# KiCad board MiniMastermindPanel.kicad_pcb
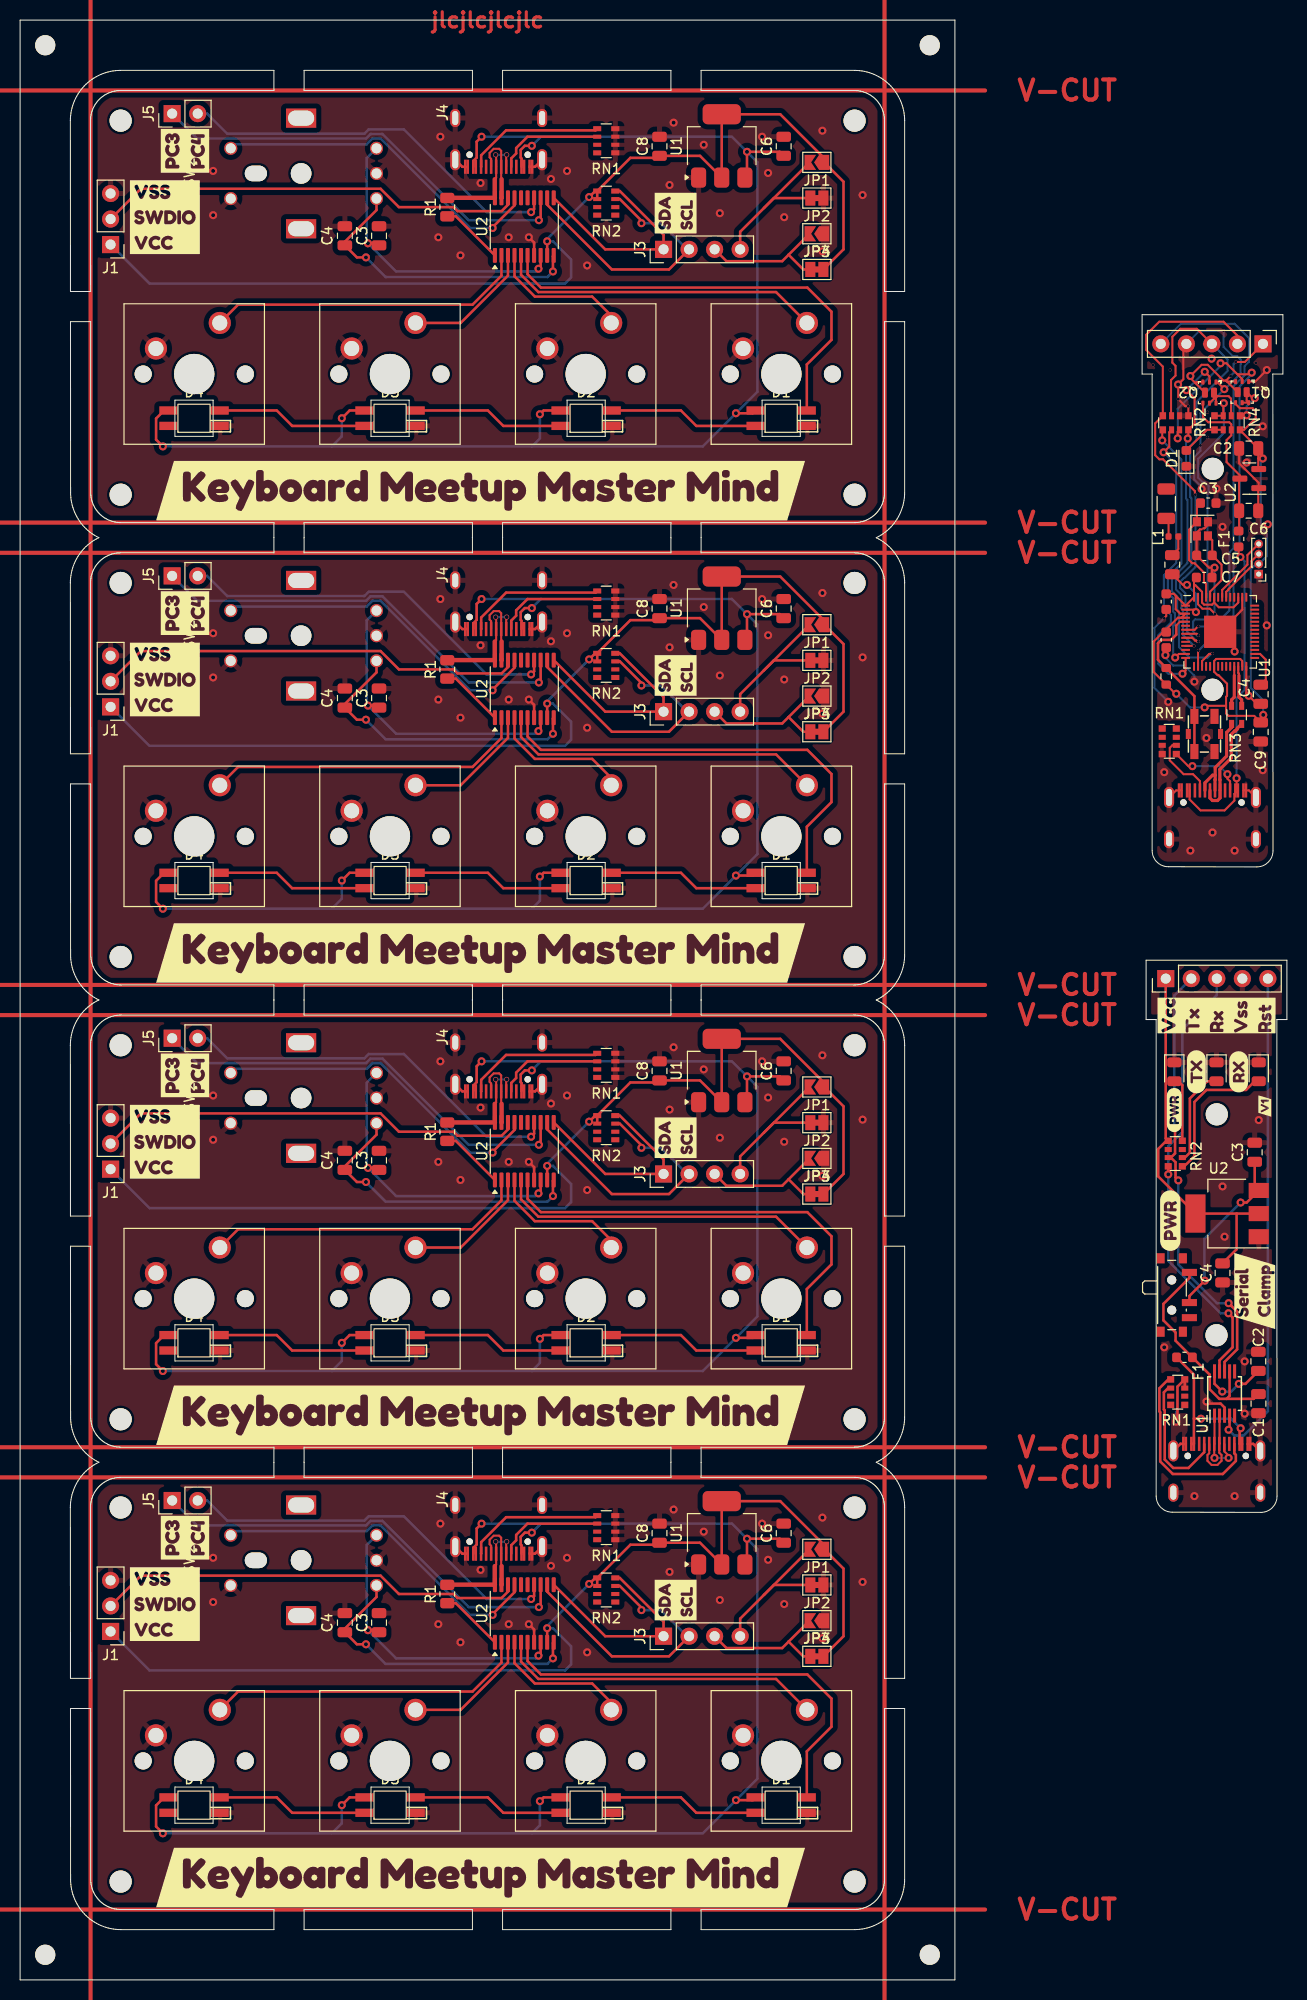
[diagram p0: board, top side]
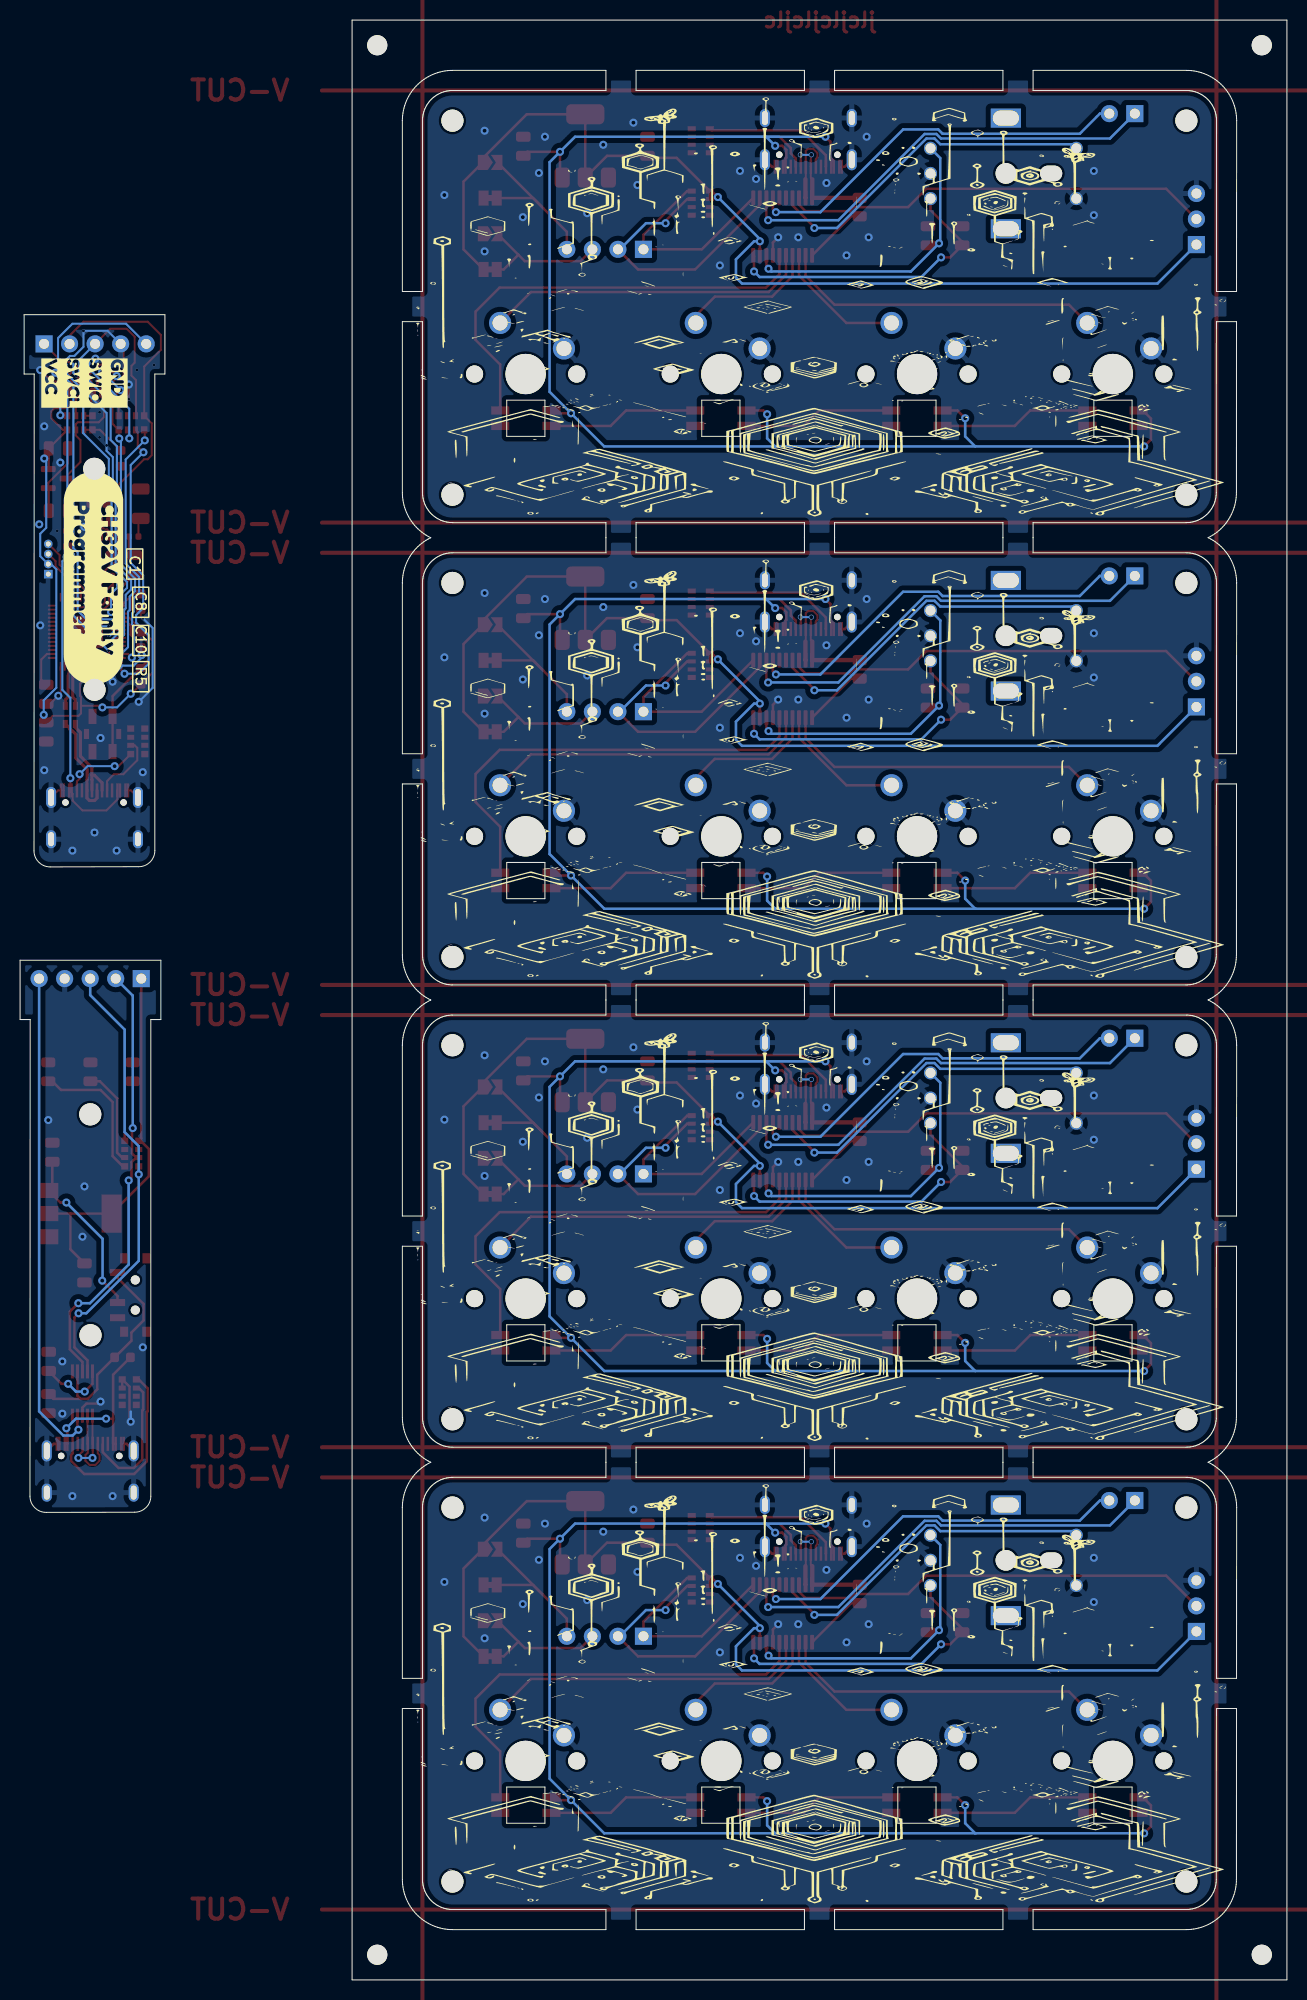
[diagram p1: board, bottom side, seen from below]

Outline 126 x 194.91 mm; copper layers: Top, Bottom. Coordinates in mm from the lower left corner of the outline.
Outline path: 0,194.91 0,0 92.98,0 92.98,194.91 0,194.91 ; 5,184.94 5.01,185.17 5.03,185.42 5.06,185.67 5.1,185.92 5.16,186.17 5.23,186.41 5.31,186.65 5.4,186.89 5.51,187.12 5.63,187.34 5.76,187.56 5.9,187.77 6.05,187.98 6.21,188.17 6.38,188.36 6.55,188.54 6.74,188.71 6.94,188.87 7.14,189.02 7.35,189.16 7.57,189.29 7.8,189.4 8.03,189.51 8.26,189.6 8.5,189.69 8.75,189.76 8.99,189.81 9.24,189.86 9.49,189.89 9.75,189.91 9.97,189.91 25.24,189.91 25.24,187.91 10,187.91 9.85,187.91 9.7,187.9 9.55,187.88 9.4,187.85 9.25,187.82 9.1,187.78 8.96,187.73 8.82,187.67 8.68,187.61 8.54,187.54 8.41,187.46 8.29,187.38 8.16,187.29 8.05,187.19 7.93,187.09 7.83,186.98 7.72,186.87 7.63,186.75 7.54,186.63 7.45,186.5 7.38,186.37 7.31,186.24 7.24,186.1 7.19,185.96 7.14,185.81 7.1,185.67 7.06,185.52 7.03,185.37 7.02,185.22 7,185.07 7,184.91 7.01,167.93 5.01,167.93 5,184.91 5,184.94 ; 5,138.96 5.01,139.19 5.03,139.44 5.06,139.69 5.1,139.94 5.16,140.19 5.23,140.43 5.31,140.67 5.4,140.91 5.51,141.14 5.63,141.36 5.76,141.58 5.9,141.79 6.05,142 6.21,142.19 6.38,142.38 6.55,142.56 6.74,142.73 6.94,142.89 7.14,143.04 7.35,143.18 7.57,143.31 7.8,143.43 7.83,143.44 7.82,143.45 7.59,143.56 7.38,143.69 7.16,143.83 6.96,143.98 6.76,144.14 6.58,144.31 6.4,144.49 6.23,144.68 6.07,144.88 5.92,145.08 5.78,145.29 5.65,145.51 5.53,145.73 5.43,145.96 5.33,146.2 5.25,146.44 5.18,146.68 5.12,146.93 5.08,147.18 5.05,147.43 5.03,147.68 5.02,147.91 5.01,164.93 7.01,164.93 7.02,147.94 7.03,147.78 7.04,147.63 7.06,147.48 7.08,147.33 7.12,147.18 7.16,147.04 7.21,146.89 7.26,146.75 7.33,146.61 7.4,146.48 7.48,146.35 7.56,146.22 7.65,146.1 7.75,145.98 7.85,145.87 7.95,145.76 8.07,145.66 8.18,145.56 8.31,145.47 8.43,145.39 8.57,145.31 8.7,145.24 8.84,145.18 8.98,145.12 9.12,145.07 9.27,145.03 9.42,145 9.57,144.97 9.72,144.95 9.87,144.94 10.02,144.94 25.24,144.94 25.24,141.94 10,141.94 9.85,141.93 9.7,141.92 9.55,141.9 9.4,141.87 9.25,141.84 9.1,141.8 8.96,141.75 8.82,141.69 8.68,141.63 8.54,141.56 8.41,141.48 8.29,141.4 8.16,141.31 8.05,141.21 7.93,141.11 7.83,141 7.72,140.89 7.63,140.77 7.54,140.65 7.45,140.52 7.38,140.39 7.31,140.26 7.24,140.12 7.19,139.98 7.14,139.83 7.1,139.69 7.06,139.54 7.03,139.39 7.02,139.24 7,139.09 7,138.94 7.01,121.95 5.01,121.95 5,138.94 5,138.96 ; 5,92.98 5.01,93.21 5.03,93.46 5.06,93.71 5.1,93.96 5.16,94.21 5.23,94.45 5.31,94.69 5.4,94.93 5.51,95.16 5.63,95.38 5.76,95.6 5.9,95.81 6.05,96.02 6.21,96.21 6.38,96.4 6.55,96.58 6.74,96.75 6.94,96.91 7.14,97.06 7.35,97.2 7.57,97.33 7.8,97.45 7.83,97.46 7.82,97.47 7.59,97.59 7.38,97.71 7.16,97.85 6.96,98 6.76,98.16 6.58,98.33 6.4,98.51 6.23,98.7 6.07,98.9 5.92,99.1 5.78,99.31 5.65,99.53 5.53,99.76 5.43,99.99 5.33,100.22 5.25,100.46 5.18,100.7 5.12,100.95 5.08,101.2 5.05,101.45 5.03,101.7 5.02,101.93 5.01,118.95 7.01,118.95 7.02,101.96 7.03,101.81 7.04,101.65 7.06,101.5 7.08,101.35 7.12,101.21 7.16,101.06 7.21,100.92 7.26,100.77 7.33,100.64 7.4,100.5 7.48,100.37 7.56,100.24 7.65,100.12 7.75,100 7.85,99.89 7.95,99.78 8.07,99.68 8.18,99.59 8.31,99.5 8.43,99.41 8.57,99.33 8.7,99.26 8.84,99.2 8.98,99.14 9.12,99.09 9.27,99.05 9.42,99.02 9.57,98.99 9.72,98.97 9.87,98.96 10.02,98.96 25.24,98.96 25.24,95.96 10,95.96 9.85,95.95 9.7,95.94 9.55,95.92 9.4,95.9 9.25,95.86 9.1,95.82 8.96,95.77 8.82,95.71 8.68,95.65 8.54,95.58 8.41,95.5 8.29,95.42 8.16,95.33 8.05,95.23 7.93,95.13 7.83,95.02 7.72,94.91 7.63,94.79 7.54,94.67 7.45,94.54 7.38,94.41 7.31,94.28 7.24,94.14 7.19,94 7.14,93.86 7.1,93.71 7.06,93.56 7.03,93.41 7.02,93.26 7,93.11 7,92.96 7.01,75.97 5.01,75.97 5,92.96 5,92.98 ; 5,47 5.01,47.23 5.03,47.48 5.06,47.74 5.1,47.99 5.16,48.23 5.23,48.48 5.31,48.72 5.4,48.95 5.51,49.18 5.63,49.41 5.76,49.62 5.9,49.84 6.05,50.04 6.21,50.24 6.38,50.42 6.55,50.6 6.74,50.77 6.94,50.93 7.14,51.08 7.35,51.22 7.57,51.35 7.8,51.47 7.83,51.48 7.82,51.49 7.59,51.61 7.38,51.73 7.16,51.87 6.96,52.02 6.76,52.18 6.58,52.35 6.4,52.53 6.23,52.72 6.07,52.92 5.92,53.12 5.78,53.33 5.65,53.55 5.53,53.78 5.43,54.01 5.33,54.24 5.25,54.48 5.18,54.73 5.12,54.97 5.08,55.22 5.05,55.47 5.03,55.73 5.02,55.95 5.01,72.97 7.01,72.97 7.02,55.98 7.03,55.83 7.04,55.68 7.06,55.52 7.08,55.37 7.12,55.23 7.16,55.08 7.21,54.94 7.26,54.8 7.33,54.66 7.4,54.52 7.48,54.39 7.56,54.26 7.65,54.14 7.75,54.02 7.85,53.91 7.95,53.8 8.07,53.7 8.18,53.61 8.31,53.52 8.43,53.43 8.57,53.36 8.7,53.29 8.84,53.22 8.98,53.17 9.12,53.12 9.27,53.07 9.42,53.04 9.57,53.01 9.72,52.99 9.87,52.98 10.02,52.98 25.24,52.98 25.24,49.98 10,49.98 9.85,49.97 9.7,49.96 9.55,49.94 9.4,49.92 9.25,49.88 9.1,49.84 8.96,49.79 8.82,49.74 8.68,49.67 8.54,49.6 8.41,49.52 8.29,49.44 8.16,49.35 8.05,49.25 7.93,49.15 7.83,49.05 7.72,48.93 7.63,48.81 7.54,48.69 7.45,48.57 7.38,48.43 7.31,48.3 7.24,48.16 7.19,48.02 7.14,47.88 7.1,47.73 7.06,47.58 7.03,47.43 7.02,47.28 7,47.13 7,46.98 7.01,29.99 5.01,29.99 5,46.98 5,47 ; 5.01,26.99 7.01,26.99 7.02,10 7.03,9.85 7.04,9.7 7.06,9.55 7.08,9.4 7.12,9.25 7.16,9.1 7.21,8.96 7.26,8.82 7.33,8.68 7.4,8.54 7.48,8.41 7.56,8.29 7.65,8.16 7.75,8.05 7.85,7.93 7.95,7.83 8.07,7.72 8.18,7.63 8.31,7.54 8.43,7.45 8.57,7.38 8.7,7.31 8.84,7.24 8.98,7.19 9.12,7.14 9.27,7.1 9.42,7.06 9.57,7.03 9.72,7.02 9.87,7 10.02,7 25.24,7 25.24,5 10,5 9.77,5.01 9.52,5.03 9.26,5.06 9.01,5.1 8.77,5.16 8.52,5.23 8.28,5.31 8.05,5.4 7.82,5.51 7.59,5.63 7.38,5.76 7.16,5.9 6.96,6.05 6.76,6.21 6.58,6.38 6.4,6.55 6.23,6.74 6.07,6.94 5.92,7.14 5.78,7.35 5.65,7.57 5.53,7.8 5.43,8.03 5.33,8.26 5.25,8.5 5.18,8.75 5.12,8.99 5.08,9.24 5.05,9.49 5.03,9.75 5.02,9.97 5.01,26.99 ; 15.4,157.11 19.2,157.11 19.2,153.51 15.4,153.51 15.4,157.11 ; 15.4,111.14 19.2,111.14 19.2,107.54 15.4,107.54 15.4,111.14 ; 15.4,65.16 19.2,65.16 19.2,61.56 15.4,61.56 15.4,65.16 ; 15.4,19.18 19.2,19.18 19.2,15.58 15.4,15.58 15.4,19.18 ; 28.24,189.91 44.99,189.91 44.99,187.91 28.24,187.91 28.24,189.91 ; 28.24,144.94 44.99,144.94 44.99,141.94 28.24,141.94 28.24,144.94 ; 28.24,98.96 44.99,98.96 44.99,95.96 28.24,95.96 28.24,98.96 ; 28.24,52.98 44.99,52.98 44.99,49.98 28.24,49.98 28.24,52.98 ; 28.24,7 44.99,7 44.99,5 28.24,5 28.24,7 ; 34.9,157.11 38.7,157.11 38.7,153.51 34.9,153.51 34.9,157.11 ; 34.9,111.14 38.7,111.14 38.7,107.54 34.9,107.54 34.9,111.14 ; 34.9,65.16 38.7,65.16 38.7,61.56 34.9,61.56 34.9,65.16 ; 34.9,19.18 38.7,19.18 38.7,15.58 34.9,15.58 34.9,19.18 ; 47.99,189.91 64.73,189.91 64.73,187.91 47.99,187.91 47.99,189.91 ; 47.99,144.94 64.73,144.94 64.73,141.94 47.99,141.94 47.99,144.94 ; 47.99,98.96 64.73,98.96 64.73,95.96 47.99,95.96 47.99,98.96 ; 47.99,52.98 64.73,52.98 64.73,49.98 47.99,49.98 47.99,52.98 ; 47.99,7 64.73,7 64.73,5 47.99,5 47.99,7 ; 54.4,157.11 58.2,157.11 58.2,153.51 54.4,153.51 54.4,157.11 ; 54.4,111.14 58.2,111.14 58.2,107.54 54.4,107.54 54.4,111.14 ; 54.4,65.16 58.2,65.16 58.2,61.56 54.4,61.56 54.4,65.16 ; 54.4,19.18 58.2,19.18 58.2,15.58 54.4,15.58 54.4,19.18 ; 67.73,189.91 83,189.91 83.23,189.91 83.48,189.89 83.74,189.86 83.99,189.81 84.23,189.76 84.48,189.69 84.72,189.6 84.95,189.51 85.18,189.4 85.41,189.29 85.62,189.16 85.84,189.02 86.04,188.87 86.24,188.71 86.42,188.54 86.6,188.36 86.77,188.17 86.93,187.98 87.08,187.77 87.22,187.56 87.35,187.34 87.47,187.12 87.57,186.89 87.67,186.65 87.75,186.41 87.82,186.17 87.88,185.92 87.92,185.67 87.95,185.42 87.97,185.17 87.98,184.94 87.98,167.93 85.98,167.93 85.98,184.91 85.97,185.07 85.96,185.22 85.94,185.37 85.92,185.52 85.88,185.67 85.84,185.81 85.79,185.96 85.74,186.1 85.67,186.24 85.6,186.37 85.52,186.5 85.44,186.63 85.35,186.75 85.25,186.87 85.15,186.98 85.05,187.09 84.93,187.19 84.82,187.29 84.69,187.38 84.57,187.46 84.43,187.54 84.3,187.61 84.16,187.67 84.02,187.73 83.88,187.78 83.73,187.82 83.58,187.85 83.43,187.88 83.28,187.9 83.13,187.91 82.98,187.91 67.73,187.91 67.73,189.91 ; 67.73,144.94 82.98,144.94 83.13,144.94 83.28,144.95 83.43,144.97 83.58,145 83.73,145.03 83.88,145.07 84.02,145.12 84.16,145.18 84.3,145.24 84.43,145.31 84.57,145.39 84.69,145.47 84.82,145.56 84.93,145.66 85.05,145.76 85.15,145.87 85.25,145.98 85.35,146.1 85.44,146.22 85.52,146.35 85.6,146.48 85.67,146.61 85.74,146.75 85.79,146.89 85.84,147.04 85.88,147.18 85.92,147.33 85.94,147.48 85.96,147.63 85.97,147.78 85.98,147.94 85.98,164.93 87.98,164.93 87.98,147.91 87.97,147.68 87.95,147.43 87.92,147.18 87.88,146.93 87.82,146.68 87.75,146.44 87.67,146.2 87.57,145.96 87.47,145.73 87.35,145.51 87.22,145.29 87.08,145.08 86.93,144.88 86.77,144.68 86.6,144.49 86.42,144.31 86.24,144.14 86.04,143.98 85.84,143.83 85.62,143.69 85.41,143.56 85.18,143.45 85.16,143.44 85.18,143.43 85.41,143.31 85.62,143.18 85.84,143.04 86.04,142.89 86.24,142.73 86.42,142.56 86.6,142.38 86.77,142.19 86.93,142 87.08,141.79 87.22,141.58 87.35,141.36 87.47,141.14 87.57,140.91 87.67,140.67 87.75,140.43 87.82,140.19 87.88,139.94 87.92,139.69 87.95,139.44 87.97,139.19 87.98,138.96 87.98,121.95 85.98,121.95 85.98,138.94 85.97,139.09 85.96,139.24 85.94,139.39 85.92,139.54 85.88,139.69 85.84,139.83 85.79,139.98 85.74,140.12 85.67,140.26 85.6,140.39 85.52,140.52 85.44,140.65 85.35,140.77 85.25,140.89 85.15,141 85.05,141.11 84.93,141.21 84.82,141.31 84.69,141.4 84.57,141.48 84.43,141.56 84.3,141.63 84.16,141.69 84.02,141.75 83.88,141.8 83.73,141.84 83.58,141.87 83.43,141.9 83.28,141.92 83.13,141.93 82.98,141.94 67.73,141.94 67.73,144.94 ; 67.73,98.96 82.98,98.96 83.13,98.96 83.28,98.97 83.43,98.99 83.58,99.02 83.73,99.05 83.88,99.09 84.02,99.14 84.16,99.2 84.3,99.26 84.43,99.33 84.57,99.41 84.69,99.5 84.82,99.59 84.93,99.68 85.05,99.78 85.15,99.89 85.25,100 85.35,100.12 85.44,100.24 85.52,100.37 85.6,100.5 85.67,100.64 85.74,100.77 85.79,100.92 85.84,101.06 85.88,101.21 85.92,101.35 85.94,101.5 85.96,101.65 85.97,101.81 85.98,101.96 85.98,118.95 87.98,118.95 87.98,101.93 87.97,101.7 87.95,101.45 87.92,101.2 87.88,100.95 87.82,100.7 87.75,100.46 87.67,100.22 87.57,99.99 87.47,99.76 87.35,99.53 87.22,99.31 87.08,99.1 86.93,98.9 86.77,98.7 86.6,98.51 86.42,98.33 86.24,98.16 86.04,98 85.84,97.85 85.62,97.71 85.41,97.59 85.18,97.47 85.16,97.46 85.18,97.45 85.41,97.33 85.62,97.2 85.84,97.06 86.04,96.91 86.24,96.75 86.42,96.58 86.6,96.4 86.77,96.21 86.93,96.02 87.08,95.81 87.22,95.6 87.35,95.38 87.47,95.16 87.57,94.93 87.67,94.69 87.75,94.45 87.82,94.21 87.88,93.96 87.92,93.71 87.95,93.46 87.97,93.21 87.98,92.98 87.98,75.97 85.98,75.97 85.98,92.96 85.97,93.11 85.96,93.26 85.94,93.41 85.92,93.56 85.88,93.71 85.84,93.86 85.79,94 85.74,94.14 85.67,94.28 85.6,94.41 85.52,94.54 85.44,94.67 85.35,94.79 85.25,94.91 85.15,95.02 85.05,95.13 84.93,95.23 84.82,95.33 84.69,95.42 84.57,95.5 84.43,95.58 84.3,95.65 84.16,95.71 84.02,95.77 83.88,95.82 83.73,95.86 83.58,95.9 83.43,95.92 83.28,95.94 83.13,95.95 82.98,95.96 67.73,95.96 67.73,98.96 ; 67.73,52.98 82.98,52.98 83.13,52.98 83.28,52.99 83.43,53.01 83.58,53.04 83.73,53.07 83.88,53.12 84.02,53.17 84.16,53.22 84.3,53.29 84.43,53.36 84.57,53.43 84.69,53.52 84.82,53.61 84.93,53.7 85.05,53.8 85.15,53.91 85.25,54.02 85.35,54.14 85.44,54.26 85.52,54.39 85.6,54.52 85.67,54.66 85.74,54.8 85.79,54.94 85.84,55.08 85.88,55.23 85.92,55.37 85.94,55.52 85.96,55.68 85.97,55.83 85.98,55.98 85.98,72.97 87.98,72.97 87.98,55.95 87.97,55.73 87.95,55.47 87.92,55.22 87.88,54.97 87.82,54.73 87.75,54.48 87.67,54.24 87.57,54.01 87.47,53.78 87.35,53.55 87.22,53.33 87.08,53.12 86.93,52.92 86.77,52.72 86.6,52.53 86.42,52.35 86.24,52.18 86.04,52.02 85.84,51.87 85.62,51.73 85.41,51.61 85.18,51.49 85.16,51.48 85.18,51.47 85.41,51.35 85.62,51.22 85.84,51.08 86.04,50.93 86.24,50.77 86.42,50.6 86.6,50.42 86.77,50.24 86.93,50.04 87.08,49.84 87.22,49.62 87.35,49.41 87.47,49.18 87.57,48.95 87.67,48.72 87.75,48.48 87.82,48.23 87.88,47.99 87.92,47.74 87.95,47.48 87.97,47.23 87.98,47 87.98,29.99 85.98,29.99 85.98,46.98 85.97,47.13 85.96,47.28 85.94,47.43 85.92,47.58 85.88,47.73 85.84,47.88 85.79,48.02 85.74,48.16 85.67,48.3 85.6,48.43 85.52,48.57 85.44,48.69 85.35,48.82 85.25,48.93 85.15,49.05 85.05,49.15 84.93,49.25 84.82,49.35 84.69,49.44 84.57,49.52 84.43,49.6 84.3,49.67 84.16,49.74 84.02,49.79 83.88,49.84 83.73,49.88 83.58,49.92 83.43,49.94 83.28,49.96 83.13,49.97 82.98,49.98 67.73,49.98 67.73,52.98 ; 67.73,7 82.98,7 83.13,7 83.28,7.02 83.43,7.03 83.58,7.06 83.73,7.1 83.88,7.14 84.02,7.19 84.16,7.24 84.3,7.31 84.43,7.38 84.57,7.45 84.69,7.54 84.82,7.63 84.93,7.72 85.05,7.83 85.15,7.93 85.25,8.05 85.35,8.16 85.44,8.29 85.52,8.41 85.6,8.54 85.67,8.68 85.74,8.82 85.79,8.96 85.84,9.1 85.88,9.25 85.92,9.4 85.94,9.55 85.96,9.7 85.97,9.85 85.98,10 85.98,26.99 87.98,26.99 87.98,9.97 87.97,9.75 87.95,9.49 87.92,9.24 87.88,8.99 87.82,8.75 87.75,8.5 87.67,8.26 87.57,8.03 87.47,7.8 87.35,7.57 87.22,7.35 87.08,7.14 86.93,6.94 86.77,6.74 86.6,6.55 86.42,6.38 86.24,6.21 86.04,6.05 85.84,5.9 85.62,5.76 85.41,5.63 85.18,5.51 84.95,5.4 84.72,5.31 84.48,5.23 84.23,5.16 83.99,5.1 83.74,5.06 83.48,5.03 83.23,5.01 83,5 67.73,5 67.73,7 ; 73.8,157.11 77.6,157.11 77.6,153.51 73.8,153.51 73.8,157.11 ; 73.8,111.14 77.6,111.14 77.6,107.54 73.8,107.54 73.8,111.14 ; 73.8,65.16 77.6,65.16 77.6,61.56 73.8,61.56 73.8,65.16 ; 73.8,19.18 77.6,19.18 77.6,15.58 73.8,15.58 73.8,19.18 ; 111.6,165.61 111.6,159.71 112.6,159.71 112.6,112.31 arc(113.07,111.18) 114.2,110.71 123.02,110.7 arc(124.15,111.16) 124.62,112.3 124.6,159.71 125.6,159.71 125.6,165.61 111.6,165.61 ; 112,101.41 112,95.51 113,95.51 113,48.11 arc(113.47,46.98) 114.6,46.51 123.42,46.5 arc(124.55,46.96) 125.02,48.1 125,95.51 126,95.51 126,101.41 112,101.41
Stack: Top 0.035mm / dielectric 1.51mm FR4 er 4.5 / Bottom 0.035mm

## Placement (name value [footprint] x y rotation side)
A1  ANT  [R_1206_3216Metric]  114 146.81 90 top
C1  10p  [C_0805_2012Metric]  114.6 140.75 270 top
C1#2  100nF  [C_0805_2012Metric]  123.17 57.31 270 top
C2  10uF  [C_0805_2012Metric]  122.2 152.31 180 top
C2#2  100nF  [C_0805_2012Metric]  123.16 61.51 90 top
C3  100nF  [C_0805_2012Metric]  35.7 81.51 90 top
C3#2  10pF  [C_0603_1608Metric]  118.18 146.88 180 top
C3#3  10uF  [C_0805_2012Metric]  122.8 82.31 90 top
C3#4  100nF  [C_0805_2012Metric]  35.7 173.46 90 top
C3#5  100nF  [C_0805_2012Metric]  35.7 127.49 90 top
C3#6  100nF  [C_0805_2012Metric]  35.7 35.53 90 top
C4  100nF  [C_0805_2012Metric]  32.3 127.49 270 top
C4#2  1u  [C_0805_2012Metric]  123.4 127.86 270 top
C4#3  100nF  [C_0805_2012Metric]  32.3 81.51 270 top
C4#4  100nF  [C_0805_2012Metric]  32.3 173.46 270 top
C4#5  100nF  [C_0805_2012Metric]  32.3 35.53 270 top
C4#6  10uF  [C_0805_2012Metric]  119.6 70.31 270 top
C5  10pF  [C_0603_1608Metric]  117.8 141.68 0 top
C6  10u  [C_0805_2012Metric]  75.95 90.41 90 top
C6#2  10u  [C_0805_2012Metric]  75.95 136.39 90 top
C6#3  10uF  [C_0805_2012Metric]  122.2 146.11 0 top
C6#4  10u  [C_0805_2012Metric]  75.95 44.43 90 top
C6#5  10u  [C_0805_2012Metric]  75.95 182.36 90 top
C7  100Pf  [C_0603_1608Metric]  117.78 139.48 0 top
C8  10u  [C_0805_2012Metric]  63.6 90.41 90 top
C8#2  10u  [C_0805_2012Metric]  63.6 182.36 90 top
C8#3  1uF  [C_0603_1608Metric]  114 137.08 270 top
C8#4  10u  [C_0805_2012Metric]  63.6 44.43 90 top
C8#5  10u  [C_0805_2012Metric]  63.6 136.39 90 top
C9  100nF  [C_0805_2012Metric]  123.4 124.11 270 top
C10  1uF  [C_0603_1608Metric]  114 133.28 270 top
D1  LED_Small  [LED_0805_2012Metric]  123.2 90.31 270 top
D1#2  WS2812B  [SK6812-E_FaceUp]  75.7 155.31 0 top
D1#3  WS2812B  [SK6812-E_FaceUp]  75.7 17.38 0 top
D1#4  WS2812B  [SK6812-E_FaceUp]  75.7 63.36 0 top
D1#5  LED_Small  [LED_0603_1608Metric]  116 151.33 90 top
D1#6  WS2812B  [SK6812-E_FaceUp]  75.7 109.34 0 top
D2  WS2812B  [SK6812-E_FaceUp]  56.3 63.36 0 top
D2#2  WS2812B  [SK6812-E_FaceUp]  56.3 155.31 0 top
D2#3  WS2812B  [SK6812-E_FaceUp]  56.3 109.34 0 top
D2#4  LED_Small  [LED_0805_2012Metric]  119 90.31 270 top
D2#5  WS2812B  [SK6812-E_FaceUp]  56.3 17.38 0 top
D3  WS2812B  [SK6812-E_FaceUp]  36.8 155.31 0 top
D3#2  WS2812B  [SK6812-E_FaceUp]  36.8 17.38 0 top
D3#3  WS2812B  [SK6812-E_FaceUp]  36.8 109.34 0 top
D3#4  WS2812B  [SK6812-E_FaceUp]  36.8 63.36 0 top
D3#5  LED_Small  [LED_0805_2012Metric]  114.8 90.31 270 top
D4  WS2812B  [SK6812-E_FaceUp]  17.3 17.38 0 top
D4#2  WS2812B  [SK6812-E_FaceUp]  17.3 63.36 0 top
D4#3  WS2812B  [SK6812-E_FaceUp]  17.3 155.31 0 top
D4#4  WS2812B  [SK6812-E_FaceUp]  17.3 109.34 0 top
F1  Polyfuse_Small  [Fuse_0603_1608Metric]  115.81 61.91 0 top
F1#2  Polyfuse_Small  [Fuse_0603_1608Metric]  121.2 143.31 90 top
H1  MountingHole  [MountingHole_2.2mm_M2]  119.03 86.08 90 top
H1#2  MountingHole  [MountingHole_2.2mm_M2]  10 92.96 0 top
H1#3  MountingHole  [MountingHole_2.2mm_M2]  10 138.94 0 top
H1#4  MountingHole  [MountingHole_2.2mm_M2]  10 184.91 0 top
H1#5  MountingHole  [MountingHole_2.2mm_M2]  10 46.98 0 top
H2  MountingHole  [MountingHole_2.2mm_M2]  83 184.91 0 top
H2#2  MountingHole  [MountingHole_2.2mm_M2]  119 64.11 90 top
H2#3  MountingHole  [MountingHole_2.2mm_M2]  83 138.94 0 top
H2#4  MountingHole  [MountingHole_2.2mm_M2]  83 92.96 0 top
H2#5  MountingHole  [MountingHole_2.2mm_M2]  83 46.98 0 top
H3  MountingHole  [MountingHole_2.2mm_M2]  10 9.78 0 top
H3#2  MountingHole  [MountingHole_2.2mm_M2]  10 55.76 0 top
H3#3  MountingHole  [MountingHole_2.2mm_M2]  10 147.71 0 top
H3#4  MountingHole  [MountingHole_2.2mm_M2]  10 101.74 0 top
H4  MountingHole  [MountingHole_2.2mm_M2]  83 55.76 0 top
H4#2  MountingHole  [MountingHole_2.2mm_M2]  83 147.71 0 top
H4#3  MountingHole  [MountingHole_2.2mm_M2]  83 9.78 0 top
H4#4  MountingHole  [MountingHole_2.2mm_M2]  83 101.74 0 top
J1  Prog  [PinHeader_1x03_P2.54mm_Vertical]  9 172.59 180 top
J1#2  Prog  [PinHeader_1x03_P2.54mm_Vertical]  9 34.65 180 top
J1#3  USB_C_Receptacle_USB2.0  [USB_C_Receptical-Jing]  119.03 52.61 0 top
J1#4  Prog  [PinHeader_1x03_P2.54mm_Vertical]  9 126.61 180 top
J1#5  Prog  [PinHeader_1x03_P2.54mm_Vertical]  9 80.63 180 top
J1#6  USB_C_Receptacle_USB2.0  [USB_C_Receptical-Jing]  118.6 117.6 0 top
J2  PGM  [PinHeader_1x04_P1.00mm_Vertical]  123.2 139.81 180 top
J2#2  Conn_01x05  [PinHeader_1x05_P2.54mm_Vertical]  113.95 99.58 90 top
J3  OledDisplay  [PinHeader_1x04_P2.54mm_Vertical]  64 80.16 90 top
J3#2  OledDisplay  [PinHeader_1x04_P2.54mm_Vertical]  64 172.11 90 top
J3#3  OledDisplay  [PinHeader_1x04_P2.54mm_Vertical]  64 34.18 90 top
J3#4  OledDisplay  [PinHeader_1x04_P2.54mm_Vertical]  64 126.14 90 top
J4  USB_C_Receptacle  [USB_C_Receptical-Jing]  47.6 43.09 180 top
J4#2  USB_C_Receptacle  [USB_C_Receptical-Jing]  47.6 135.05 180 top
J4#3  USB_C_Receptacle  [USB_C_Receptical-Jing]  47.6 89.07 180 top
J4#4  USB_C_Receptacle  [USB_C_Receptical-Jing]  47.6 181.03 180 top
J4#5  Prog  [PinHeader_1x05_P2.54mm_Vertical]  123.62 162.71 270 top
J5  Conn_01x02  [PinHeader_1x02_P2.54mm_Vertical]  15.12 47.68 90 top
J5#2  Conn_01x02  [PinHeader_1x02_P2.54mm_Vertical]  15.12 93.66 90 top
J5#3  Conn_01x02  [PinHeader_1x02_P2.54mm_Vertical]  15.12 185.61 90 top
J5#4  Conn_01x02  [PinHeader_1x02_P2.54mm_Vertical]  15.12 139.64 90 top
JP1  JOpen  [SolderJumper-2_P1.3mm_Open_TrianglePad1.0x1.5mm]  79.25 134.79 180 top
JP1#2  JOpen  [SolderJumper-2_P1.3mm_Open_TrianglePad1.0x1.5mm]  79.25 180.76 180 top
JP1#3  JOpen  [SolderJumper-2_P1.3mm_Open_TrianglePad1.0x1.5mm]  79.25 88.81 180 top
JP1#4  JOpen  [SolderJumper-2_P1.3mm_Open_TrianglePad1.0x1.5mm]  79.25 42.83 180 top
JP2  JClosed  [SolderJumper-2_P1.3mm_Bridged_Pad1.0x1.5mm]  79.25 177.21 180 top
JP2#2  JClosed  [SolderJumper-2_P1.3mm_Bridged_Pad1.0x1.5mm]  79.25 85.26 180 top
JP2#3  JClosed  [SolderJumper-2_P1.3mm_Bridged_Pad1.0x1.5mm]  79.25 39.28 180 top
JP2#4  JClosed  [SolderJumper-2_P1.3mm_Bridged_Pad1.0x1.5mm]  79.25 131.24 180 top
JP3  Jumper_2_Open  [SolderJumper-2_P1.3mm_Open_TrianglePad1.0x1.5mm]  79.25 81.71 180 top
JP3#2  Jumper_2_Open  [SolderJumper-2_P1.3mm_Open_TrianglePad1.0x1.5mm]  79.25 127.69 180 top
JP3#3  Jumper_2_Open  [SolderJumper-2_P1.3mm_Open_TrianglePad1.0x1.5mm]  79.25 173.66 180 top
JP3#4  Jumper_2_Open  [SolderJumper-2_P1.3mm_Open_TrianglePad1.0x1.5mm]  79.25 35.73 180 top
JP4  Jumper_2_Bridged  [SolderJumper-2_P1.3mm_Bridged_Pad1.0x1.5mm]  79.25 32.18 0 top
JP4#2  Jumper_2_Bridged  [SolderJumper-2_P1.3mm_Bridged_Pad1.0x1.5mm]  79.25 78.16 0 top
JP4#3  Jumper_2_Bridged  [SolderJumper-2_P1.3mm_Bridged_Pad1.0x1.5mm]  79.25 124.14 0 top
JP4#4  Jumper_2_Bridged  [SolderJumper-2_P1.3mm_Bridged_Pad1.0x1.5mm]  79.25 170.11 0 top
kibuzzard-65CB8E97  G***  [kibuzzard-65CB8E97]  114.4 75.51 90 top
kibuzzard-65CB9ADE  G***  [kibuzzard-65CB9ADE]  114.8 86.51 90 top
kibuzzard-65CB9AFE  G***  [kibuzzard-65CB9AFE]  117 90.31 90 top
kibuzzard-65CB9B2E  G***  [kibuzzard-65CB9B2E]  119 95.91 90 top
kibuzzard-65CB9B05  G***  [kibuzzard-65CB9B05]  121.2 90.31 90 top
kibuzzard-65CB9C81  G***  [kibuzzard-65CB9C81]  123.8 86.91 90 top
kibuzzard-65CB9418  G***  [kibuzzard-65CB9418]  122.8 68.51 90 top
kibuzzard-65DCFED4  G***  [kibuzzard-65DCFED4]  119.6 158.81 270 bottom
kibuzzard-65DCFFD3  G***  [kibuzzard-65DCFFD3]  118.7 139.41 270 bottom
kibuzzard-65F8A563  G***  [kibuzzard-65F8A563]  45.8 56.16 0 top
kibuzzard-65F8A563#2  G***  [kibuzzard-65F8A563]  45.8 102.14 0 top
kibuzzard-65F8A563#3  G***  [kibuzzard-65F8A563]  45.8 148.11 0 top
kibuzzard-65F8A563#4  G***  [kibuzzard-65F8A563]  45.8 10.18 0 top
kibuzzard-65F8A587  G***  [kibuzzard-65F8A587]  14.4 37.38 0 top
kibuzzard-65F8A587#2  G***  [kibuzzard-65F8A587]  14.4 175.31 0 top
kibuzzard-65F8A587#3  G***  [kibuzzard-65F8A587]  14.4 83.36 0 top
kibuzzard-65F8A587#4  G***  [kibuzzard-65F8A587]  14.4 129.34 0 top
kibuzzard-65F9B665  G***  [kibuzzard-65F9B665]  65.2 129.74 90 top
kibuzzard-65F9B665#2  G***  [kibuzzard-65F9B665]  65.2 37.78 90 top
kibuzzard-65F9B665#3  G***  [kibuzzard-65F9B665]  65.2 175.71 90 top
kibuzzard-65F9B665#4  G***  [kibuzzard-65F9B665]  65.2 83.76 90 top
kibuzzard-65F9B676  G***  [kibuzzard-65F9B676]  16.4 43.98 90 top
kibuzzard-65F9B676#2  G***  [kibuzzard-65F9B676]  16.4 89.96 90 top
kibuzzard-65F9B676#3  G***  [kibuzzard-65F9B676]  16.4 181.91 90 top
kibuzzard-65F9B676#4  G***  [kibuzzard-65F9B676]  16.4 135.94 90 top
KiKit_FID_B_1  -  [Fiducial]  2.5 192.41 0 bottom
KiKit_FID_B_2  -  [Fiducial]  90.48 192.41 0 bottom
KiKit_FID_B_3  -  [Fiducial]  2.5 2.5 0 bottom
KiKit_FID_B_4  -  [Fiducial]  90.48 2.5 0 bottom
KiKit_FID_T_1  -  [Fiducial]  2.5 192.41 0 top
KiKit_FID_T_2  -  [Fiducial]  90.48 192.41 0 top
KiKit_FID_T_3  -  [Fiducial]  2.5 2.5 0 top
KiKit_FID_T_4  -  [Fiducial]  90.48 2.5 0 top
KiKit_TO_1  -  [NPTH]  2.5 192.41 0 top
KiKit_TO_2  -  [NPTH]  90.48 192.41 0 top
KiKit_TO_3  -  [NPTH]  2.5 2.5 0 top
KiKit_TO_4  -  [NPTH]  90.48 2.5 0 top
L1  6.8nH  [L_0402_1005Metric]  114.72 143.55 0 top
NOREF  -  [unnamed]  118.62 150.28 90 top
NOREF#2  -  [unnamed]  118.6 128.31 90 top
Q1  SE4625-PandN  [DFN-6-2x2-SplitPad]  121.55 157.91 180 top
Q2  SE4625-PandN  [DFN-6-2x2-SplitPad]  118.3 157.86 180 top
R1  1.5k  [R_0805_2012Metric]  42.49 38.38 90 top
R1#2  1.5k  [R_0805_2012Metric]  42.49 176.31 90 top
R1#3  1.5k  [R_0805_2012Metric]  42.49 84.36 90 top
R1#4  1.5k  [R_0805_2012Metric]  42.49 130.34 90 top
R5  5.1k  [R_0603_1608Metric]  114 129.65 90 top
RN1  5.1k  [R_Array_Convex_4x0612]  114.3 123.18 0 top
RN1#2  5.1k  [R_Array_Convex_4x0612]  115.14 58.45 180 top
RN1#3  5.1k  [R_Array_Convex_4x0603]  58.3 182.91 180 top
RN1#4  5.1k  [R_Array_Convex_4x0603]  58.3 90.96 180 top
RN1#5  5.1k  [R_Array_Convex_4x0603]  58.3 44.98 180 top
RN1#6  5.1k  [R_Array_Convex_4x0603]  58.3 136.94 180 top
RN2  10k  [R_Array_Convex_4x0612]  114.93 154.86 90 top
RN2#2  5.1k  [R_Array_Convex_4x0603]  58.3 84.76 180 top
RN2#3  5.1k  [R_Array_Convex_4x0603]  58.3 176.71 180 top
RN2#4  5.1k  [R_Array_Convex_4x0603]  58.3 130.74 180 top
RN2#5  330  [R_Array_Convex_4x0612]  114.9 82.18 0 top
RN2#6  5.1k  [R_Array_Convex_4x0603]  58.3 38.78 180 top
RN3  22  [R_Array_Convex_2x0603]  121 125.81 90 top
RN4  10k  [R_Array_Convex_4x0612]  120.07 154.86 90 top
SW1  Power  [SW_SPDT_PCM12]  114.88 68.11 270 top
SW1#2  SW_Push_45deg  [SW_Cherry_MX_1.00u_PCB]  19.86 26.86 0 top
SW1#3  SW_Push_45deg  [SW_Cherry_MX_1.00u_PCB]  19.86 164.79 0 top
SW1#4  SW_Push_45deg  [SW_Cherry_MX_1.00u_PCB]  19.86 118.82 0 top
SW1#5  SW_Push_45deg  [SW_Cherry_MX_1.00u_PCB]  19.86 72.84 0 top
SW2  Rotary_Encoder_Switch  [EC11L1524E03_Rotary_Encoder]  27.95 133.69 90 top
SW2#2  Rotary_Encoder_Switch  [EC11L1524E03_Rotary_Encoder]  27.95 87.71 90 top
SW2#3  SW_MEC_5E  [TS3315A]  117.8 123.91 270 top
SW2#4  Rotary_Encoder_Switch  [EC11L1524E03_Rotary_Encoder]  27.95 179.66 90 top
SW2#5  Rotary_Encoder_Switch  [EC11L1524E03_Rotary_Encoder]  27.95 41.73 90 top
SW3  SW_Push_45deg  [SW_Cherry_MX_1.00u_PCB]  39.33 26.86 0 top
SW3#2  SW_Push_45deg  [SW_Cherry_MX_1.00u_PCB]  39.33 164.79 0 top
SW3#3  SW_Push_45deg  [SW_Cherry_MX_1.00u_PCB]  39.33 118.82 0 top
SW3#4  SW_Push_45deg  [SW_Cherry_MX_1.00u_PCB]  39.33 72.84 0 top
SW4  SW_Push_45deg  [SW_Cherry_MX_1.00u_PCB]  58.79 118.82 0 top
SW4#2  SW_Push_45deg  [SW_Cherry_MX_1.00u_PCB]  58.79 164.79 0 top
SW4#3  SW_Push_45deg  [SW_Cherry_MX_1.00u_PCB]  58.79 26.86 0 top
SW4#4  SW_Push_45deg  [SW_Cherry_MX_1.00u_PCB]  58.79 72.84 0 top
SW5  SW_Push_45deg  [SW_Cherry_MX_1.00u_PCB]  78.26 164.79 0 top
SW5#2  SW_Push_45deg  [SW_Cherry_MX_1.00u_PCB]  78.26 26.86 0 top
SW5#3  SW_Push_45deg  [SW_Cherry_MX_1.00u_PCB]  78.26 118.82 0 top
SW5#4  SW_Push_45deg  [SW_Cherry_MX_1.00u_PCB]  78.26 72.84 0 top
U1  TLV1117-33  [SOT-223-3_TabPin2]  69.79 90.44 90 top
U1#2  TLV1117-33  [SOT-223-3_TabPin2]  69.79 182.4 90 top
U1#3  ESP32-S2  [QFN-56-1EP_7x7mm_P0.4mm_EP3.2x3.2mm]  119.36 134.08 0 top
U1#4  TLV1117-33  [SOT-223-3_TabPin2]  69.79 44.47 90 top
U1#5  TLV1117-33  [SOT-223-3_TabPin2]  69.79 136.42 90 top
U1#6  CH340E  [MSOP-10_3x3mm_P0.5mm]  119.8 58.31 90 top
U2  LD1117S12TR_SOT223  [SOT-223-3_TabPin2#2]  120.05 76.21 180 top
U2#2  CH32V003F4P6  [TSSOP-20_4.4x6.5mm_P0.65mm]  50.15 36.44 90 top
U2#3  CH32V003F4P6  [TSSOP-20_4.4x6.5mm_P0.65mm]  50.15 128.4 90 top
U2#4  AP1117-33  [SOT-23]  122.26 149.31 180 top
U2#5  CH32V003F4P6  [TSSOP-20_4.4x6.5mm_P0.65mm]  50.15 82.42 90 top
U2#6  CH32V003F4P6  [TSSOP-20_4.4x6.5mm_P0.65mm]  50.15 174.38 90 top
Y1  40MHz  [Crystal_SMD_2016-4Pin_2.0x1.6mm]  117.6 144.31 270 top

## Library data of the parts
A1 = -: Description: Resistor; LCSC: C127629
C1 = -: Description: Unpolarized capacitor; LCSC: C106199
C1#2 C2 C2#2 C3#2 C3#3 C4#6 C5 C6#3 C7 C8#3 C9 C10 = -: Description: Unpolarized capacitor, small symbol
C4#2 = -: Description: Unpolarized capacitor; LCSC: C106254
D1 D1#5 D2#4 D3#5 = -: Description: Light emitting diode, small symbol
D1#2-D1#4 D1#6 D2 D2#2 D2#3 D2#5 D3 D3#2-D3#4 D4 D4#2-D4#4 = -: Datasheet: https://cdn-shop.adafruit.com/datasheets/WS2812B.pdf; Description: RGB LED with integrated controller
F1 F1#2 = -: Description: Resettable fuse, polymeric positive temperature coefficient, small symbol
H1 H2#2 = -: Description: Mounting Hole without connection
J1#3 J1#6 = -: Description: USB 2.0-only Type-C Receptacle connector
J2 = -: Description: Generic connector, single row, 01x04, script generated (kicad-library-utils/schlib/autogen/connector/); LCSC: NP
J2#2 J4#5 = -: Description: Generic connector, single row, 01x05, script generated (kicad-library-utils/schlib/autogen/connector/)
J4 J4#2-J4#4 = -: Datasheet: https://www.usb.org/sites/default/files/documents/usb_type-c.zip
J5 J5#2-J5#4 = -: Description: Generic connector, single row, 01x02, script generated (kicad-library-utils/schlib/autogen/connector/)
L1 = -: Description: Inductor; LCSC: C77110
Q1 Q2 = -: LCSC: C730094
R5 = -: Description: Resistor; LCSC: C105872
RN1 RN1#2 RN2 RN2#5 RN4 = -: Description: 4 resistor network, parallel topology
RN3 = -: Description: 2 resistor network, parallel topology
SW1 = -: Description: Switch, single pole double throw
SW2#3 = -: Description: MEC 5E single pole normally-open tactile switch
U1 U1#2 U1#4 U1#5 = -: Datasheet: http://www.ti.com/lit/ds/symlink/tlv1117.pdf
U1#3 = -: LCSC: C2840995
U1#6 = -: Description: USB serial converter, UART, MSOP-10
U2 = -: Description: 800mA Fixed Low Drop Positive Voltage Regulator, Fixed Output 1.2V, SOT-223
U2#4 = -: Description: 1A Low Dropout regulator, positive, 3.3V fixed output, SOT-223; LCSC: C6186
Y1 = -: Description: Four pin crystal, GND on pins 2 and 4, small symbol; LCSC: C648970

## Footprints (pads in the part's own frame, mm; a bottom-side part is the same pattern mirrored in y, then rotated)
C_0603_1608Metric
  rrect 0.9x0.95 smd: 1(-0.775,0) 2(0.775,0)
C_0805_2012Metric
  rrect 1x1.45 smd: 1(-0.95,0) 2(0.95,0)
Crystal_SMD_2016-4Pin_2.0x1.6mm
  rect 0.9x0.8 smd: 1(-0.7,-0.55) 2(0.7,-0.55) 3(0.7,0.55) 4(-0.7,0.55)
DFN-6-2x2-SplitPad
  rrect 0.3x0.5 smd: 1(-0.65,-1.05) 2(0,-1.05) 3(0.65,-1.05) 4(0.65,1.05) 5(0,1.05) 6(-0.65,1.05)
  rrect 0.6x1 smd: 7(-0.45,0) 8(0.45,0)
EC11L1524E03_Rotary_Encoder
  rect 1.9x3 hole 1.5x2.6: (-5.5,0) (5.5,0)
  oval 1.55x2.2 hole 1.55x2.2 unplated: (0,4.5)
  round 2.05 hole 2.05 unplated: (0,0)
  round 1.3 hole 1: A(-2.5,-7.5) B(2.5,-7.5) C(0,-7.5) S1(-2.5,7) S2(2.5,7)
Fiducial
  round 1 smd: (0,0)
Fuse_0603_1608Metric
  rrect 0.875x0.95 smd: 1(-0.787,0) 2(0.787,0)
L_0402_1005Metric
  rrect 0.59x0.64 smd: 1(-0.485,0) 2(0.485,0)
LED_0603_1608Metric
  rrect 0.875x0.95 smd: 1(-0.787,0) 2(0.787,0)
LED_0805_2012Metric
  rrect 0.975x1.4 smd: 1(-0.938,0) 2(0.938,0)
MountingHole_2.2mm_M2
  round 2.2 hole 2.2 unplated: (0,0)
MSOP-10_3x3mm_P0.5mm
  rect 1.4x0.3 smd: 1(-2.2,1) 2(-2.2,0.5) 3(-2.2,0) 4(-2.2,-0.5) 5(-2.2,-1) 6(2.2,-1) 7(2.2,-0.5) 8(2.2,0) 9(2.2,0.5) 10(2.2,1)
NPTH
  round 2 hole 2 unplated: (0,0)
PinHeader_1x02_P2.54mm_Vertical
  rect 1.7x1.7 hole 1: 1(0,0)
  oval 1.7x1.7 hole 1: 2(0,-2.54)
PinHeader_1x03_P2.54mm_Vertical
  rect 1.7x1.7 hole 1: 1(0,0)
  oval 1.7x1.7 hole 1: 2(0,-2.54) 3(0,-5.08)
PinHeader_1x04_P1.00mm_Vertical
  rect 0.85x0.85 hole 0.5: 1(0,0)
  oval 0.85x0.85 hole 0.5: 2(0,-1) 3(0,-2) 4(0,-3)
PinHeader_1x04_P2.54mm_Vertical
  rect 1.7x1.7 hole 1: 1(0,0)
  oval 1.7x1.7 hole 1: 2(0,-2.54) 3(0,-5.08) 4(0,-7.62)
PinHeader_1x05_P2.54mm_Vertical
  rect 1.7x1.7 hole 1: 1(0,0)
  oval 1.7x1.7 hole 1: 2(0,-2.54) 3(0,-5.08) 4(0,-7.62) 5(0,-10.16)
QFN-56-1EP_7x7mm_P0.4mm_EP3.2x3.2mm
  rrect 1.29x1.29 smd: (-0.8,0.8) (-0.8,-0.8) (0.8,0.8) (0.8,-0.8)
  rrect 0.875x0.2 smd: 1(-3.438,2.6) 2(-3.438,2.2) 3(-3.438,1.8) 4(-3.438,1.4) 5(-3.438,1) 6(-3.438,0.6) 7(-3.438,0.2) 8(-3.438,-0.2) 9(-3.438,-0.6) 10(-3.438,-1) 11(-3.438,-1.4) 12(-3.438,-1.8) 13(-3.438,-2.2) 14(-3.438,-2.6) 29(3.438,-2.6) 30(3.438,-2.2) 31(3.438,-1.8) 32(3.438,-1.4) 33(3.438,-1) 34(3.438,-0.6) 35(3.438,-0.2) 36(3.438,0.2) 37(3.438,0.6) 38(3.438,1) 39(3.438,1.4) 40(3.438,1.8) 41(3.438,2.2) 42(3.438,2.6)
  rrect 0.2x0.875 smd: 15(-2.6,-3.438) 16(-2.2,-3.438) 17(-1.8,-3.438) 18(-1.4,-3.438) 19(-1,-3.438) 20(-0.6,-3.438) 21(-0.2,-3.438) 22(0.2,-3.438) 23(0.6,-3.438) 24(1,-3.438) 25(1.4,-3.438) 26(1.8,-3.438) 27(2.2,-3.438) 28(2.6,-3.438) 43(2.6,3.438) 44(2.2,3.438) 45(1.8,3.438) 46(1.4,3.438) 47(1,3.438) 48(0.6,3.438) 49(0.2,3.438) 50(-0.2,3.438) 51(-0.6,3.438) 52(-1,3.438) 53(-1.4,3.438) 54(-1.8,3.438) 55(-2.2,3.438) 56(-2.6,3.438)
  rect 3.2x3.2 smd: 57(0,0)
R_0603_1608Metric
  rrect 0.8x0.95 smd: 1(-0.825,0) 2(0.825,0)
R_0805_2012Metric
  rrect 1.025x1.4 smd: 1(-0.912,0) 2(0.912,0)
R_1206_3216Metric
  rrect 1.125x1.75 smd: 1(-1.462,0) 2(1.462,0)
R_Array_Convex_2x0603
  rect 0.8x0.5 smd: 1(-0.9,0.5) 2(-0.9,-0.5) 3(0.9,-0.5) 4(0.9,0.5)
R_Array_Convex_4x0603
  rect 0.8x0.5 smd: 1(-0.9,1.2) 4(-0.9,-1.2) 5(0.9,-1.2) 8(0.9,1.2)
  rect 0.8x0.4 smd: 2(-0.9,0.4) 3(-0.9,-0.4) 6(0.9,-0.4) 7(0.9,0.4)
R_Array_Convex_4x0612
  rect 0.7x0.64 smd: 1(-0.7,1.27) 4(-0.7,-1.27) 5(0.7,-1.27) 8(0.7,1.27)
  rect 0.7x0.5 smd: 2(-0.7,0.4) 3(-0.7,-0.4) 6(0.7,-0.4) 7(0.7,0.4)
SK6812-E_FaceUp
  rect 1.8x0.82 smd: 1(-2.55,0.775) 2(-2.55,-0.76) 3(2.55,-0.76) 4(2.55,0.775)
SolderJumper-2_P1.3mm_Bridged_Pad1.0x1.5mm
  rect 1x1.5 smd: 1(-0.65,0) 2(0.65,0)
SolderJumper-2_P1.3mm_Open_TrianglePad1.0x1.5mm
  custom 1.5x1.5 smd: 1(-0.725,0)
  custom 1.15x1.5 smd: 2(0.725,0)
SOT-23
  rrect 1.475x0.6 smd: 1(-0.938,0.95) 2(-0.938,-0.95) 3(0.938,0)
SOT-223-3_TabPin2
  rrect 2x1.5 smd: 1(-3.15,2.3) 2(-3.15,0) 3(-3.15,-2.3)
  rrect 2x3.8 smd: 2(3.15,0)
SOT-223-3_TabPin2#2
  rect 2x1.5 smd: 1(-3.15,2.3) 2(-3.15,0) 3(-3.15,-2.3)
  rect 2x3.8 smd: 2(3.15,0)
SW_Cherry_MX_1.00u_PCB
  round 1.7 hole 1.7 unplated: (-7.62,-5.08) (2.54,-5.08)
  round 4 hole 4 unplated: (-2.54,-5.08)
  round 2.2 hole 1.5: 1(0,0) 2(-6.35,-2.54)
SW_SPDT_PCM12
  rect 1x0.8 smd: (-3.65,0.78) (-3.65,-1.43) (3.65,0.78) (3.65,-1.43)
  round 0.9 hole 0.9 unplated: (-1.5,-0.33) (1.5,-0.33)
  rect 0.7x1.5 smd: 1(-2.25,1.43) 2(0.75,1.43) 3(2.25,1.43)
TS3315A
  rect 1x0.5 smd: (0,1.6) (0,-1.6)
  rect 1.5x0.8 smd: 1(-1.75,1) 2(1.75,1) 3(-1.75,-1) 4(1.75,-1)
TSSOP-20_4.4x6.5mm_P0.65mm
  rrect 1.475x0.4 smd: 1(-2.862,2.925) 2(-2.862,2.275) 3(-2.862,1.625) 4(-2.862,0.975) 5(-2.862,0.325) 6(-2.862,-0.325) 7(-2.862,-0.975) 8(-2.862,-1.625) 9(-2.862,-2.275) 10(-2.862,-2.925) 11(2.862,-2.925) 12(2.862,-2.275) 13(2.862,-1.625) 14(2.862,-0.975) 15(2.862,-0.325) 16(2.862,0.325) 17(2.862,0.975) 18(2.862,1.625) 19(2.862,2.275) 20(2.862,2.925)
unnamed
  round 2.2 hole 2.2 unplated: (0,0)
USB_C_Receptical-Jing
  round 0.65 hole 0.65 unplated: (-2.89,-0.5) (2.89,-0.5)
  rect 0.25x1.4 smd: A1(-3.325,0.7) A4(-2.525,0.7) A5(-1.25,0.7) A6(-0.25,0.7) A7(0.25,0.7) A8(-1.75,0.7) A9(2.525,0.7) A12(3.325,0.7) B1(3.075,0.7) B4(2.275,0.7) B5(1.75,0.7) B6(0.75,0.7) B7(-0.75,0.7) B8(1.25,0.7) B9(-2.275,0.7) B12(-3.075,0.7)
  oval 1x2.1 hole 0.6x1.7: S1(-4.32,0) S1(4.32,0)
  oval 1x1.8 hole 0.6x1.4: S1(-4.32,-4.15) S1(4.32,-4.15)
